# Altium PCB PA_8CH_CTRL.PcbDoc (part 10 of 11)
Units mil, origin at the board's own origin, x right, y up, seen from the top; angles counter-clockwise.
Board outline 15354.33 x 4330.71 mil, 4 copper layers (Component Side, Signal Layer 1, Power Plane, Solder Side), stack 63.149 mil thick; 907 components, 557 nets, 2683 pads, 1897 vias.
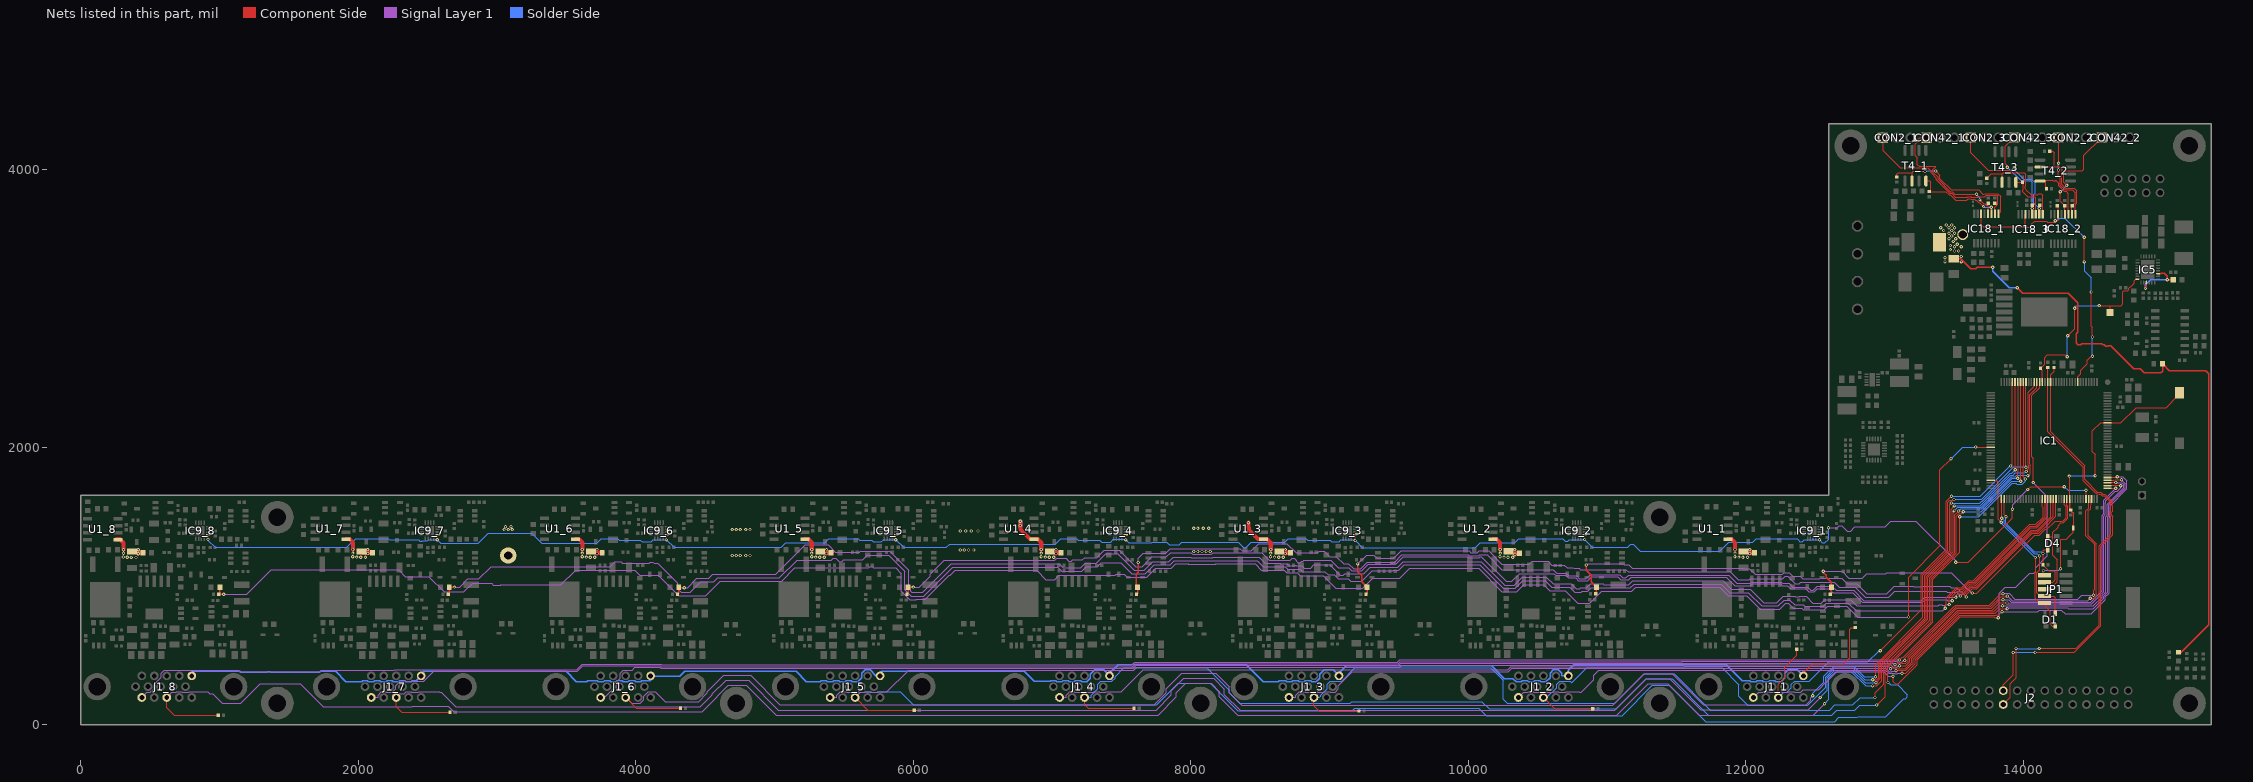
[diagram p12: the nets of this part, all layers, seen from the top]

## Via types
v1: diameter 23.62, hole 11.81, Component Side to Solder Side, tented both sides, 1569 vias
v2: diameter 23.62, hole 11.81, Component Side to Solder Side, 328 vias

## Nets (pads, with @x,y where several pads share a name; then routed paths per layer and width w, separated by ;. In a path a pad name is that pad's centre, name@x,y a point inside that pad or via, vN(x,y) a via of type N, cw(c..) or ccw(c..) an arc to the next point about the centre after c; other vN are vias at no path point) (continued)
P30V0: C32_1.2 C32_2.2 C32_3.2 C32_4.2 C32_5.2 C32_6.2 C32_7.2 C32_8.2 C63.2 L4.2 pad.9 pad.12 R17_1.2 R17_2.2 R17_3.2 R17_4.2 R17_5.2 R17_6.2 R17_7.2 R17_8.2 R96.2 R110.2 U1_1.1 U1_2.1 U1_3.1 U1_4.1 U1_5.1 U1_6.1 U1_7.1 U1_8.1 | length 6254.4
  Component Side w10: C63.2@13499.02,3359.25 13550.2,3359.25 13622.05,3287.4 13658.29,3287.4 13668.13,3297.24 v2(13779.53,3297.24) ; v2(13956.69,3149.61) 13996.06,3110.24 14323.6,3110.24 14392.89,3040.94 14392.89,2827.95 14383.02,2818.08 14383.02,2775.98 14379.5,2772.46 14379.5,2753.56 14392.86,2740.2 14412.93,2740.2 14421.02,2748.29 14564.69,2748.29 14572.2,2740.78 14582.62,2740.78 14594.63,2728.77 14608.71,2728.77 14613.62,2733.68 14628.52,2733.68 14797,2565.2 14842.51,2565.2 14871.47,2536.24 14989.76,2536.24 15003.13,2549.61 R96.2@15003.13,2601.2 ; R96.2@15002.95,2601.38 R96.2@15003.13,2601.2 ; R110.2@15119.27,514.99 15131.15,514.99 15174.04,557.88 15174.04,560.63 15187.4,573.99 15190.15,573.99 15337.77,721.61 15337.77,2529.13 15313.76,2553.15 15051.18,2553.15 R96.2@15003.13,2601.2
  Component Side w30: U1_8.1@257.28,1337.48 282.52,1337.48 308,1312 v1(308,1263) ; v1(414,1234) 420,1240 R17_8.2@448.5,1240 R17_8.2@453.5,1240 ; U1_7.1@1910.83,1338.62 1936.06,1338.62 1961.54,1313.14 v1(1961.54,1264.14) ; C32_7.2@2023.03,1250.24 2033.27,1240 R17_7.2@2103.5,1240 ; U1_6.1@3564.37,1338.62 3589.61,1338.62 3615.09,1313.14 v1(3615.09,1264.14) ; v1(3721.09,1235.14) 3725.94,1240 R17_6.2@3758.5,1240 ; U1_5.1@5217.91,1338.62 5243.15,1338.62 5268.63,1313.14 v1(5268.63,1264.14) ; v1(5374.63,1235.14) 5379.49,1240 R17_5.2@5408.5,1240 R17_5.2@5413.5,1240 ; v2(6771.65,1466.54) v2(6771.65,1437.01) 6770.88,1437.01 6770.88,1425.03 6771.65,1424.26 6771.65,1407.48 6840.51,1338.62 U1_4.1@6871.46,1338.62 6896.69,1338.62 6922.17,1313.14 v1(6922.17,1264.14) ; v1(7028.17,1235.14) 7033.03,1240 R17_4.2@7063.5,1240 ; v2(8415.35,1456.69) 8415.35,1424.35 8418.64,1421.07 8418.64,1404.2 8484.25,1338.58 8484.29,1338.62 U1_3.1@8525,1338.62 8550.24,1338.62 8575.72,1313.14 v1(8575.72,1264.14) ; v1(8681.72,1235.14) 8686.57,1240 R17_3.2@8718.5,1240 ; U1_2.1@10178.54,1338.62 10203.78,1338.62 10229.26,1313.14 v1(10229.26,1264.14) ; v1(10336.02,1229) 10336.02,1235.91 10339.12,1239 R17_2.2@10370.5,1239 ; U1_1.1@11871.46,1338.62 11896.69,1338.62 11922.17,1313.14 v1(11922.17,1264.14) ; v1(12028.17,1235.14) 12033.03,1240 R17_1.2@12063.5,1240
  Solder Side w10: v2(13779.53,3297.24) 13779.53,3267.72 13897.64,3149.61 v2(13956.69,3149.61)
  Solder Side w30: v2(6771.65,1437.01) v2(6771.65,1466.54)
  other v1: 398,1206 365,1207 2051.54,1207.14 3705.09,1207.14 5358.63,1207.14 7012.17,1207.14 10319.26,1207.14 336,1208 2018.54,1208.14 3672.09,1208.14 5325.63,1208.14 6979.17,1208.14 8666,1208 10286.26,1208.14 12012,1208 1989.54,1209.14 3643.09,1209.14 5296.63,1209.14 6950.17,1209.14 8603.72,1209.14 8633,1209 10257.26,1209.14 11950.17,1209.14 11979,1209 307,1210 1960.54,1211.14 3614.09,1211.14 5267.63,1211.14 6921.17,1211.14 8574.72,1211.14 10228.26,1211.14 11921.17,1211.14 2067.54,1235.14 308,1237 1961.54,1238.14 3615.09,1238.14 5268.63,1238.14 6922.17,1238.14 8575.72,1238.14 10229.26,1238.14 11922.17,1238.14 414,1262 2067.54,1263.14 3721.09,1263.14 5374.63,1263.14 7028.17,1263.14 8681.72,1263.14 10335.26,1263.14 12028.17,1263.14
  other v2: 4694.88,1220.47 4724.41,1220.47 4753.94,1220.47 4793.31,1220.47 4822.83,1220.47 8021.65,1250 8051.18,1250 8080.71,1250 8110.24,1250 8139.76,1250 6338.58,1259.84 6368.11,1259.84 6397.64,1259.84 6437.01,1259.84 6338.58,1397.64 6377.95,1397.64 6417.32,1397.64 6466.54,1397.64 3051.18,1407.48 3080.71,1407.48 3110.24,1407.48 4694.88,1407.48 4724.41,1407.48 4753.94,1407.48 4793.31,1407.48 4822.83,1407.48 8021.65,1417.32 8051.18,1417.32 8090.55,1417.32 8129.92,1417.32 3061.02,1427.17 3100.39,1427.17 13435.04,3336.61 13553.15,3336.61 13435.04,3366.14 13553.15,3375.98 13503.94,3415.35 13533.46,3415.35 13474.41,3425.2 13503.94,3444.88 13553.15,3444.88 13474.41,3454.72 13523.62,3464.57 13494.09,3484.25 13464.57,3503.94 13513.78,3503.94 13484.25,3523.62 13464.57,3543.31 13503.94,3543.31 13425.2,3562.99 13484.25,3562.99 13405.51,3582.68 13464.57,3582.68 13503.94,3582.68 13444.88,3602.36 13484.25,3602.36
PA_CH_RESETN: IC1.140 IC9_1.1 IC9_2.1 IC9_3.1 IC9_4.1 IC9_5.1 IC9_6.1 IC9_7.1 IC9_8.1 | length 15028.3
  Component Side w6: v1(917,1337) 918,1337 918.07,1337.07 IC9_8.1@918.07,1369.33 ; v1(2570,1334) 2572,1336 2572,1370.09 IC9_7.1@2571.61,1370.47 ; v1(4221,1333) 4221,1366.31 IC9_6.1@4225.16,1370.47 ; v1(5874,1335) 5874,1365.77 IC9_5.1@5878.7,1370.47 ; v1(7531,1333) 7531,1369.23 IC9_4.1@7532.24,1370.47 ; v1(9184,1329) 9185,1330 9185,1369.69 IC9_3.1@9185.79,1370.47 ; v1(10838,1336) 10839.33,1337.33 IC9_2.1@10839.33,1370.47 ; v1(12531.2,1334.32) 12531.2,1369.03 12531,1369.23 IC9_1.1@12532.24,1370.47 ; v1(13513.78,1171.26) 13603.69,1171.26 13921,1488.57 13921,1553 v1(13922,1554) ; v1(14032,1697) 14052,1717 v1(14295,1717) ; IC1.140@14451.75,1627.74 v1(14451.75,1690)
  Signal Layer 1 w6: v1(12596,1421) 12660.6,1421 12674.55,1434.95 12691.79,1434.95 12730.23,1396.51 12754.68,1396.51 12785.17,1427 13003,1427 13045,1469 13225.88,1469 13513.78,1181.1 v1(13513.78,1171.26) ; v1(13922,1554) 13922,1587 v1(14032,1697)
  Solder Side w6: v1(917,1337) 917,1332.21 970.82,1278.4 1918.4,1278.4 1981.95,1341.95 2217.79,1341.95 2225.74,1334 2435.57,1334 2444.38,1325.19 2461.62,1325.19 2462.38,1325.95 2498.95,1325.95 2506.9,1333.9 v1@2570,1333.9 ; v1(2570,1334) v1@2570,1333.9 ; v1(10838,1336) v1@10838,1333.62 ; v1(12596,1421) 12596,1338.89 12569.44,1312.33 12552.2,1312.33 12531.2,1333.33 v1(12531.2,1334.32) 12530.71,1334.81 12421.24,1334.81 12407.62,1321.19 12390.38,1321.19 12378.19,1333.38 12378.19,1335.38 12371.62,1341.95 12075.95,1341.95 12050.19,1316.19 11877.21,1316.19 11811.02,1250 11240.04,1250 11189.7,1300.34 11172.46,1300.34 11150.53,1278.4 10893.21,1278.4 v1@10838,1333.62 ; v1(14295,1717) 14322,1690 v1(14451.75,1690) ; v1@2570,1333.9 2594.71,1309.19 2864.19,1309.19 2937.11,1382.11 3249.81,1382.11 3322.73,1309.19 3720.19,1309.19 3752.95,1341.95 3871.33,1341.95 3882.29,1331 4034,1331 4045.81,1319.19 4112.19,1319.19 4126,1333 v1(4221,1333) 4275.6,1278.4 5046.83,1278.4 5080.76,1312.33 5361.33,1312.33 5390.95,1341.95 5602.11,1341.95 5613.11,1330.95 5699.05,1330.95 5711,1319 5770,1319 5786,1335 v1(5874,1335) 5930.6,1278.4 6238.94,1278.4 6262.72,1302.19 7023.19,1302.19 7062.95,1341.95 7178.42,1341.95 7189.42,1330.95 7345.05,1330.95 7358.81,1317.19 7422.19,1317.19 7441.81,1336.81 7527.19,1336.81 v1(7531,1333) 7551.67,1312.33 7719.27,1312.33 7723.75,1316.81 7826.97,1316.81 7845.69,1298.08 7917.52,1298.08 7936.24,1316.81 8341.72,1316.81 8380.38,1278.15 8397.62,1278.15 8436.28,1316.81 8675.81,1316.81 8700.95,1341.95 8831.96,1341.95 8842.96,1330.95 9004.05,1330.95 9015.81,1319.19 9068.62,1319.19 9082.24,1332.81 9180.19,1332.81 v1(9184,1329) 9235.39,1277.61 10050.62,1277.61 10085.34,1312.33 10333.33,1312.33 10362.95,1341.95 10679.62,1341.95 10698.38,1323.19 10715.62,1323.19 10728.24,1335.81 10835.81,1335.81 v1@10838,1333.62
PA_SIG_GND: J1_1.15 J1_2.15 J1_3.15 J1_4.15 J1_5.15 J1_6.15 J1_7.15 J1_8.15 R83.2 | length 13270.9
  Component Side w6: J1_1.15@12394.88,353.54 12481.34,440 12705,440 12748.8,483.8 12748.8,542.27 12750.19,543.66 12750.19,551.34 12748.8,552.73 12748.8,617.27 12750.19,618.66 12750.19,690.19 12761.5,701.5 R83.2@12788,701.5
  Solder Side w10: J1_8.15@780.71,352.4 813.32,385.02 1147.49,385.02 1151.51,381 1343.74,381 1345.55,382.81 1364.45,382.81 1366.26,381 1722.44,381 1726.45,385.02 1836.43,385.02 1909.45,312 2025.01,312 2031.1,318.09 2066.3,318.09 2073.34,311.05 2111.22,311.05 2118.26,318.09 2156.3,318.09 2163.34,311.05 2201.22,311.05 2208.26,318.09 2246.3,318.09 2253.34,311.05 2291.22,311.05 2298.26,318.09 2336.3,318.09 2343.34,311.05 2381.22,311.05 2388.26,318.09 2418.17,318.09 J1_7.15@2453.62,353.54 ; 2465.73,385.02 3498.87,385.02 3572.83,311.05 3645.67,311.05 3652.71,318.09 3722.52,318.09 3729.56,311.05 3767.6,311.05 3774.64,318.09 3812.52,318.09 3819.56,311.05 3857.6,311.05 3864.64,318.09 3902.52,318.09 3909.56,311.05 3947.6,311.05 3954.64,318.09 3992.52,318.09 3999.56,311.05 4037.6,311.05 4044.64,318.09 4107.17,318.09 J1_6.15@4107.17,353.54 4111.52,349.19 4318.19,349.19 4354.02,385.02 5155.98,385.02 5229.95,311.05 5331.14,311.05 5338.18,318.09 5373.39,318.09 5380.43,311.05 5421.14,311.05 5428.18,318.09 5463.39,318.09 5470.43,311.05 5511.14,311.05 5518.18,318.09 5553.39,318.09 5560.43,311.05 5598.31,311.05 5628.21,340.95 5628.21,371.15 5653.11,396.04 5688.31,396.04 5730.81,353.54 5741.34,353.54 5772.81,385.02 6800.02,385.02 6870.04,315 6988.64,315 6991.73,318.09 7026.93,318.09 7033.97,311.05 7071.85,311.05 7078.89,318.09 7116.93,318.09 7123.97,311.05 7161.85,311.05 7168.89,318.09 7206.93,318.09 7213.97,311.05 7251.85,311.05 7276.75,335.94 7276.75,366.14 7306.65,396.04 7371.76,396.04 J1_4.15@7404.57,363.23 ; J1_4.15@7414.25,353.54 J1_4.15@7404.57,363.23 ; J1_3.15@9067.8,353.54 J1_3.15@9058.11,363.23 ; J1_1.15@12414.25,353.54 12371.76,396.04 12306.65,396.04 12281.76,371.15 12281.76,338.11 12254.69,311.05 12213.97,311.05 12206.93,318.09 12171.73,318.09 12164.69,311.05 12123.97,311.05 12116.93,318.09 12081.73,318.09 12074.69,311.05 12033.97,311.05 12026.93,318.09 11975.91,318.09 11860,434 10760.77,434 10721.34,394.57 J1_2.15@10721.34,353.54 10673.83,353.54 10673.83,371.15 10648.94,396.04 10613.74,396.04 10588.84,371.15 10588.84,340.95 10558.94,311.05 10523.74,311.05 10516.7,318.09 10478.81,318.09 10471.77,311.05 10433.74,311.05 10426.7,318.09 10388.81,318.09 10381.77,311.05 10343.74,311.05 10321.05,333.73 10259.07,333.73 10167.8,425 9119.88,425 J1_3.15@9058.11,363.23 ; J1_4.15@7404.57,363.23 7476.34,435 8399.67,435 8523.62,311.05 8628.94,311.05 8635.98,318.09 8683.15,318.09 8690.19,311.05 8728.23,311.05 8735.27,318.09 8773.15,318.09 8780.19,311.05 8818.23,311.05 8825.27,318.09 8863.15,318.09 8870.19,311.05 8905.4,311.05 8930.29,335.94 8930.29,366.14 8960.19,396.04 9025.3,396.04 J1_3.15@9058.11,363.23
PGOOD_N7V5: IC1.57 IC5.8 R25.2 TP1.1 | length 1406.4
  Component Side w6: IC1.57@14136.79,2470.26 14136.79,2557.31 R25.2@14124.02,2570.08 14125.2,2570.08 14153.54,2598.43 14153.54,2647.64 14173.23,2667.32 14261.81,2667.32 14262.94,2668.45 14290.12,2668.45 14291.24,2667.32 14303.37,2667.32 v2(14317.04,2653.65) ; v2(14320.87,2805.12) 14370.08,2854.33 v2(14370.08,3001.97) ; v2(14547.22,3021.65) 14625.97,3021.65 14704.72,3021.65 14716.54,3033.46 14716.54,3122.05 14724.89,3130.4 14753.51,3130.4 14758.78,3135.67 14758.78,3146.15 14770.45,3157.82 14773.07,3157.82 14798.86,3183.61 14798.86,3200.61 IC5.8@14810.96,3212.71 ; TP1.1@14625.98,2972.44 14625.98,3021.63
  Component Side w10: IC5.8@14810.96,3212.71 IC5.8@14822.06,3212.71
  Solder Side w6: v2(14317.04,2653.65) 14317.04,2801.29 v2(14320.87,2805.12) ; v2(14370.08,3001.97) 14370.08,3011.81 14379.92,3021.65 ; 14379.93,3021.65 v2(14547.22,3021.65)
PWM1_1: IC18_1.1 R149_1.1 T4_1.2 | length 1066.1
  Component Side w6: R149_1.1@13088.58,3949.61 13087.6,3950.59 13087.6,3969.49 13098.23,3980.12 13197.64,3980.12 ; T4_1.2@13197.64,3920.28 13197.64,3980.12 ; v2(13291.34,3988.19) 13205.71,3988.19 13197.64,3980.12 ; v2(13368.11,3992.13) 13397.64,3962.6 13397.64,3937.36 13479.68,3855.31 13677.17,3855.31 13708.66,3823.82 13716.41,3823.82 13721.86,3829.27 13816.18,3829.27 13836.61,3808.83 13836.61,3698.92 IC18_1.1@13820.77,3683.07
  Solder Side w6: v2(13291.34,3988.19) 13295.28,3992.13 v2(13368.11,3992.13)
PWM1_2: IC18_2.1 R149_2.1 T4_2.2 | length 671.2
  Component Side w6: 14160.43,4023.82 14221.46,4023.82 ; R149_2.1@14189.76,4132.87 14213.58,4132.87 14221.46,4125 14221.46,4023.82 ; IC18_2.1@14374.9,3681.1 14374.9,3748.55 14386.02,3759.66 14386.02,3848.24 14366.28,3867.97 14305.36,3867.97 14278,3895.32 14278,3994.97 14280,3996.97 14280,4001.4 14257.58,4023.82 14221.46,4023.82
PWM1_3: IC18_3.1 R149_3.1 T4_3.2 | length 758.9
  Component Side w6: R149_3.1@13737.2,3939.76 13767.72,3970.28 13846.26,3970.28 ; T4_3.2@13846.26,3910.43 13846.26,3970.28 ; IC18_3.1@14139.67,3679.13 14139.91,3679.37 14139.91,3815.71 14127.71,3827.9 14110.47,3827.9 14102.32,3819.74 14055.36,3819.74 14017.28,3857.82 14017.28,3858.26 14013.34,3862.2 14013.34,3880.86 14017.53,3885.05 14017.53,3967.71 14004.92,3980.31 13856.3,3980.31 13846.26,3970.28
PWM2_1: IC18_1.3 R150_1.1 T4_1.4 | length 673.7
  Component Side w6: T4_1.4@13297.64,3920.28 13324.8,3920.28 13333.66,3911.42 13333.66,3855.12 R150_1.1@13321.85,3843.31 13440.78,3843.31 13464.77,3819.31 13474.98,3819.31 13511.81,3782.48 13591.13,3782.48 13601.3,3792.65 13618.54,3792.65 13624.63,3786.56 13649.4,3786.56 13653.48,3782.48 13666.2,3782.48 13666.2,3774.84 13678.39,3762.65 13686.02,3762.65 13710.63,3738.05 13710.63,3732.28 v2(13713.58,3735.24) ; v2(13769.68,3730.31) 13770.77,3729.23 IC18_1.3@13770.77,3683.07
  Solder Side w6: v2(13713.58,3735.24) 13718.5,3730.31 v2(13769.68,3730.31)
PWM2_2: IC18_2.3 R150_2.1 T4_2.4 | length 410.8
  Component Side w6: R150_2.1@14164.57,3876.97 14160.43,3881.1 14160.43,3923.82 14212.52,3923.82 14213.48,3922.85 14233.37,3922.85 14234.33,3923.82 14254,3904.15 14254,3885.38 14295.42,3843.97 14307.88,3843.97 14324.9,3826.94 IC18_2.3@14324.9,3681.1
PWM2_3: IC18_3.3 R150_3.1 T4_3.4 | length 348.7
  Component Side w6: T4_3.4@13946.26,3910.43 13987.2,3910.43 14000.82,3896.81 14000.82,3857.99 13996.86,3854.03 13996.86,3842.33 14031.45,3807.74 14083.99,3807.74 14089.67,3802.07 IC18_3.3@14089.67,3679.13
PWR_CH_OVL0: IC1.59 J1_8.3 R34_8.1 | length 16698.4
  Component Side w6: J1_8.3@620.08,197.64 620.08,124.92 675,70 R34_8.1@991.5,70 ; v1(12913,281) 12944.43,281 12980.19,316.76 12980.19,323.56 12981,324.37 12981,429.09 13312,760.09 13312,1064.12 13494,1246.12 13494,1538 13501,1538 v1(13501,1542) ; v1(14033,1795) 14049,1811 14049,1841.6 14051.49,1844.09 14051.49,1871.27 14046.19,1876.57 14046.19,2379.19 14097.42,2430.42 IC1.59@14097.42,2470.26
  Signal Layer 1 w6: J1_8.3@600.71,196.5 J1_8.3@610.39,206.18 ; J1_8.3@620.08,196.5 657.53,233.95 689.12,233.95 693.3,238.13 726.85,238.13 729.89,235.09 779.12,235.09 782.16,238.13 916.09,238.13 930.01,224.22 949.75,224.22 1018.95,155.02 1151.7,155.02 1293.27,296.59 1581.89,296.59 1747.99,130.49 2387.68,130.49 2391.19,134 2647.09,134 2688.09,93 4480.48,93 4588.75,201.27 4588.75,207.75 4665.59,284.59 4797.62,284.59 5012.21,70 7764.56,70 7895.83,201.27 7895.83,231.01 7964.82,300 8146.03,300 8206,240.03 8206,201.8 8339.8,68 11069.65,68 11202.92,201.27 11202.92,201.89 11297.62,296.59 11438.39,296.59 11664.98,70 12485,70 v1(12567,152)
  Solder Side w6: v1(12567,152) 12598.43,183.43 12598.43,334.65 12646.8,383.02 12760.91,383.02 12862.92,281 v1(12913,281) ; v1(13501,1542) 13527.81,1568.81 13696.81,1568.81 13916.62,1788.62 13942.19,1788.62 13951,1797.43 14030.57,1797.43 v1(14033,1795)
PWR_CH_OVL1: IC1.60 J1_7.3 R34_7.1 | length 14805.2
  Component Side w6: J1_7.3@2273.62,197.64 2273.62,131.38 2315,90 R34_7.1@2661.5,90 ; v1(12938,304) 12938.4,304 12969,334.6 12969,434.06 13300,765.06 13300,1069.09 13480.19,1249.28 13480.19,1555.19 v1(13503,1578) ; v1(14020,1826) 14020,1829.57 14039.49,1849.06 14039.49,1866.3 14034.19,1871.6 14034.19,2396.19 14077.73,2439.73 IC1.60@14077.73,2470.26
  Signal Layer 1 w6: J1_7.3@2273.62,197.64 2299.08,223.09 2331.81,223.09 2346.85,238.13 2380.4,238.13 2383.44,235.09 2433.81,235.09 2436.85,238.13 2584.56,238.13 2587.6,235.09 2596.91,235.09 2703,129 4465.57,129 4552.75,216.18 4552.75,222.66 4650.68,320.59 4812.53,320.59 5027.12,106 7749.65,106 7859.83,216.18 7859.83,245.92 7949.91,336 8164,336 8242,258 8242,216.71 8354.71,104 11054.74,104 11166.92,216.18 11166.92,216.8 11282.71,332.59 11453.3,332.59 11676.89,109 12450.77,109 12536,194.23 v1(12536,198)
  Solder Side w6: v1(12536,198) 12586.43,248.43 12586.43,339.62 12641.82,395.02 12767.98,395.02 12859,304 v1(12938,304) ; v1(13503,1578) 13505.81,1580.81 13690.81,1580.81 13910.62,1800.62 13925.62,1800.62 13942.32,1817.32 14011.32,1817.32 v1(14020,1826)
PWR_CH_OVL2: IC1.63 J1_6.3 R34_6.1 | length 13066.5
  Component Side w6: J1_6.3@3927.17,197.64 4004.8,120 R34_6.1@4321.5,120 ; v1(12935,347) 12935,434 13276,775 13276,1079.03 13456.19,1259.22 13456.19,1604.62 13471.38,1619.81 13495.81,1619.81 v1(13500,1624) ; v1(14018.68,1857.68) IC1.63@14018.68,2470.26
  Signal Layer 1 w6: J1_6.3@3927.17,197.64 3930.31,197.64 3970.81,157.14 4033.94,157.14 4057.66,180.86 4057.66,205.4 4090.39,238.13 4140.8,238.13 4210.77,168.17 4453.82,168.17 4516.75,231.09 4516.75,237.57 4635.77,356.59 4827.44,356.59 5038.89,145.14 7737.88,145.14 7823.83,231.09 7823.83,260.83 7935,372 8181,372 8278,275 8278,231.62 8368.62,141 11040.83,141 11130.92,231.09 11130.92,231.71 11267.8,368.59 11468.21,368.59 11691.66,145.14 12436,145.14 12466.75,175.89 12466.75,193.75 v1(12482,209)
  Solder Side w6: v1(12482,209) 12482,227.04 12562.43,307.47 12562.43,349.56 12631.88,419.02 12780.98,419.02 12853,347 v1(12935,347) ; v1(13500,1624) 13497,1627 13700,1627 13931.94,1858.94 14017.42,1858.94 v1(14018.68,1857.68)
PWR_CH_OVL3: IC1.64 J1_5.3 R34_5.1 | length 11480.2
  Component Side w6: J1_5.3@5580.71,197.64 5673.35,105 R34_5.1@6006.5,105 ; v1(13025,305) 13022.19,307.81 13022.19,413.62 13348,739.43 13348,1049.21 13541.19,1242.4 13541.19,1498.19 v1(13542,1499) ; IC1.64@13998.99,2470.26 14002.81,2466.44 14002.81,1871.24 13997.87,1866.3 13997.87,1787.13 v1(14013,1772)
  Solder Side w6: J1_5.3@5561.34,197.64 J1_5.3@5580.71,197.64 5618.16,235.09 5650.89,235.09 5653.93,238.13 5687.48,238.13 5690.52,235.09 5740.89,235.09 5743.93,238.13 5905.87,238.13 5998.86,145.14 7754.85,145.14 7910.71,301 8140.74,301 8338.74,103 9163.97,103 9181.14,120.17 10076.92,120.17 10130.09,67 11107.71,67 11325.3,284.59 11448.62,284.59 11710.02,23.19 12640.33,23.19 12671.17,54.03 12799.85,54.03 12805.82,60 13009.4,60 13138.59,189.19 13151.62,189.19 13163.81,201.38 13163.81,218.62 13094.24,288.19 13045.24,288.19 13037.62,295.81 13034.19,295.81 v1(13025,305) ; v1(13542,1499) 13677.91,1499 13919.91,1741 13948,1741 13953.81,1735.19 13990.62,1735.19 14013,1757.57 v1(14013,1772)
PWR_CH_OVL4: IC1.65 J1_4.3 R34_4.1 | length 9528.8
  Component Side w6: J1_4.3@7234.25,197.64 7234.25,145.75 7260,120 R34_4.1@7591.5,120 ; v1(12943,143) 13004.19,204.19 13004.19,313.62 13005,314.43 13005,413.4 13336,744.4 13336,1054.18 13518,1236.18 13518,1504.43 13533.38,1519.81 13550.81,1519.81 v1(13567,1536) ; IC1.65@13979.31,2470.26 13980.43,2469.13 13980.43,1768 13979.31,1766.88 13979.31,1758.69 v1(13982,1756)
  Solder Side w6: J1_4.3@7214.88,197.64 J1_4.3@7234.25,197.64 7283.04,197.64 7283.76,198.36 7283.76,214.41 7328.83,259.49 7328.83,292.36 7352.56,316.09 7394.44,316.09 7397.48,313.05 7431.03,313.05 7454.75,336.77 7454.75,347.65 7518.1,411 8116.97,411 8127.49,400.49 8278.53,249.44 8278.53,231.09 8352.48,157.14 9148.45,157.14 9159.47,168.17 10096.8,168.17 10149.97,115 11065.74,115 11283.33,332.59 11468.5,332.59 11729.9,71.19 12620.44,71.19 12656.25,107 12784.94,107 12799,121.06 12799,121.41 12820.59,143 v1(12943,143) ; v1(13567,1536) 13697.94,1536 13917.75,1755.81 13981.81,1755.81 v1(13982,1756)
PWR_CH_OVL5: IC1.66 J1_3.3 R34_3.1 | length 7807.2
  Component Side w6: J1_3.3@8887.8,197.64 8887.8,137.2 8925,100 R34_3.1@9211.5,100 ; v1(12931,197) 12931,230 12992.19,291.19 12992.19,318.59 12993,319.4 12993,423 13324,754 13324,1059.15 13506,1241.15 13506,1513 v1(13534,1541) ; v1(13959.62,1776.62) 13959.62,1827.32 13961.81,1829.51 13961.81,2468.07 IC1.66@13959.62,2470.26
  Solder Side w6: J1_3.3@8868.43,197.64 J1_3.3@8887.8,197.64 8927.36,197.64 8937.3,207.58 8937.3,214.41 8982.38,259.49 8982.38,292.36 9006.1,316.09 9047.98,316.09 9051.02,313.05 9084.57,313.05 9086.27,314.75 9086.82,314.75 9183.07,411 10162,411 10250,323 10250,185.97 10278.83,157.14 11056.97,157.14 11268.42,368.59 11483.41,368.59 11744.81,107.19 12605.53,107.19 12642.51,144.17 12770.85,144.17 12823.68,197 v1(12931,197) ; v1(13534,1541) 13549.81,1556.81 13701.78,1556.81 13921.59,1776.62 v1(13959.62,1776.62)
PWR_CH_OVL6: IC1.67 J1_2.3 R34_2.1 | length 5960.3
  Component Side w6: J1_2.3@10541.34,197.64 10623.98,115 R34_2.1@10896.5,115 ; v1(12914,325) 12941,325 12942.19,326.19 12943.62,326.19 12957,339.57 12957,439.03 13288,770.03 13288,1074.06 13468.19,1254.25 13468.19,1587.19 v1(13480,1599) ; IC1.67@13939.94,2470.26 13939.94,1837.06 v1(13941,1838.13)
  Solder Side w6: J1_2.3@10521.97,197.64 J1_2.3@10541.34,197.64 10565.74,197.64 10635.92,267.82 10635.92,292.36 10659.64,316.09 10701.52,316.09 10704.56,313.05 10736.17,313.05 10744.59,304.63 10851.96,412 11828.97,412 11950,290.97 11950,206.97 12013.78,143.19 12445.62,143.19 12574.43,271.99 12574.43,344.59 12636.85,407.02 12773.98,407.02 12856,325 v1(12914,325) ; v1(13480,1599) 13686,1599 13700,1613 13705,1613 13904.62,1812.62 13915.5,1812.62 v1(13941,1838.13)
PWR_CH_OVL7: IC1.68 J1_1.3 R34_1.1 | length 3744.6
  Component Side w6: J1_1.3@12234.25,197.64 12234.25,294.25 12280,340 12280,415 12366.5,501.5 R34_1.1@12366.5,545 ; v1(12968,535) 13264,831 13264,1084 13444.19,1264.19 13444.19,1610.19 v1(13482,1648) ; v1(13909,1866) 13909,1868 13920.25,1879.25 IC1.68@13920.25,2470.26
  Solder Side w6: J1_1.3@12234.25,197.64 12271.71,235.09 12296.1,235.09 12328.83,267.82 12328.83,292.36 12352.56,316.09 12386.1,316.09 12389.14,313.05 12456.05,313.05 12598.02,455.02 12880.02,455.02 12960,535 v1(12968,535) ; v1(13482,1648) 13689,1648 13907,1866 v1(13909,1866)
RST: D5.2 IC1.25 IC1.134 JP1.10 PB1.1 R6.2 | length 2161.3
  Component Side w6: v1(14145,1113) 14145,1086.23 JP1.10@14153.23,1078 ; v1(14268,1125) 14270.81,1127.81 14270.81,1334.81 14273.46,1337.46 14309.9,1337.46 14335.07,1362.63 ; v1(14331,1793) 14333.64,1790.36 IC1.134@14333.64,1627.74 ; 14335.07,1365.72 14335.07,1362.63 ; R6.2@14343,1548.5 14349,1542.5 14349,1531.91 14358.93,1531.91 14364.2,1526.64 14364.2,1488.01 14363.81,1487.62 14363.81,1445.47 14360.24,1441.9 D5.2@14360.24,1419.29 14360.24,1387.8 14335.07,1362.63 ; v1(14517,1796) 14517,1950 14498,1969 14498,2118 14556.95,2176.95 IC1.25@14607.26,2176.95 14608.39,2175.83 14701.83,2175.83 14813,2287 15030,2287 PB1.1@15117,2374